# KiCad board Full Keyboard.kicad_pcb (continued)
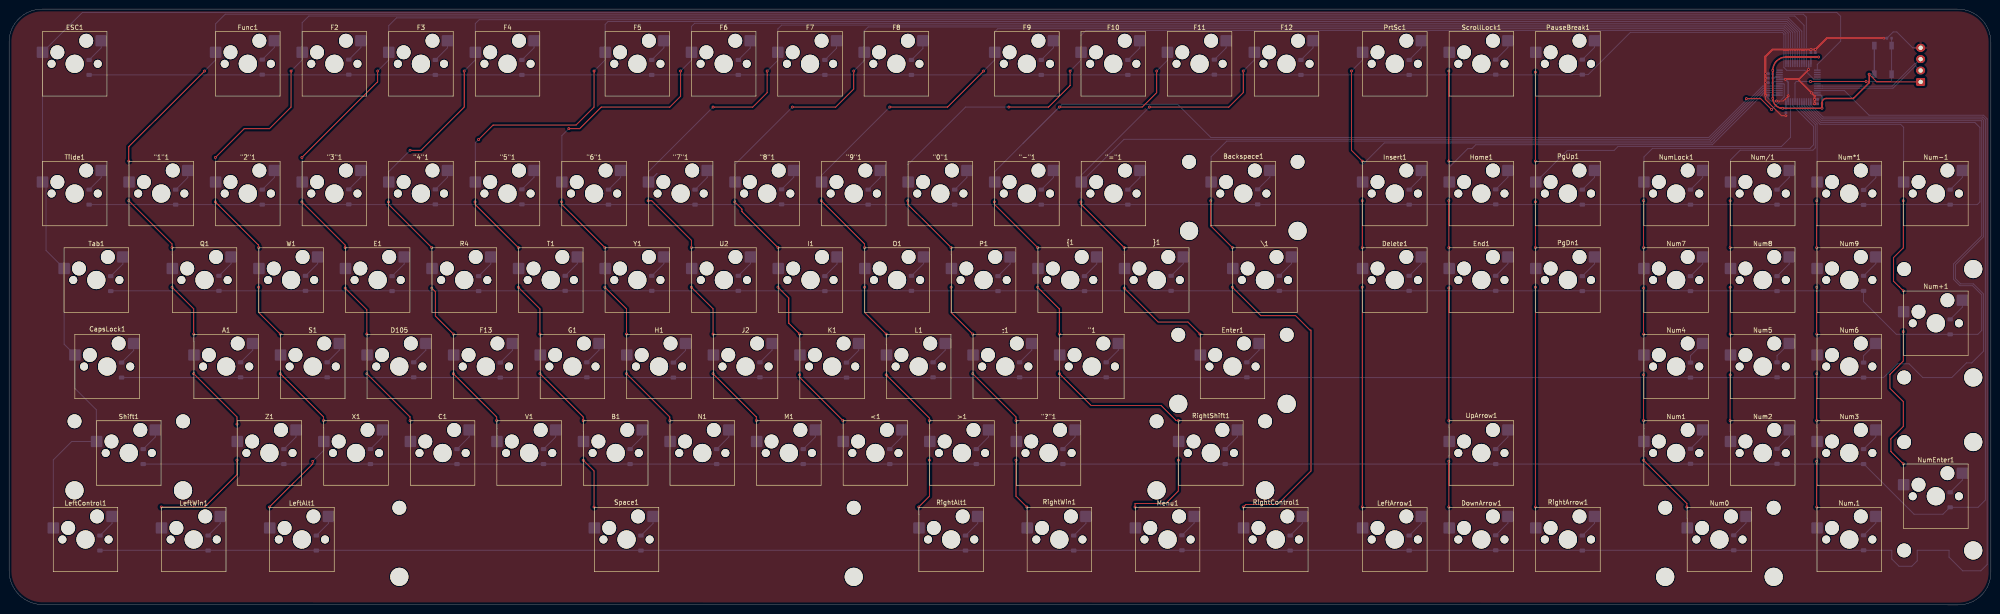
[diagram p0: board, top side]
## Nets (continued)
Net-(D27-A): "0"1.2 D27.2
Net-(D28-A): "-"1.2 D28.2
Net-(D29-A): "="1.2 D29.2
Net-(D30-A): Backspace1.2 D30.2
Net-(D31-A): D31.2 Insert1.2
Net-(D32-A): D32.2 Home1.2
Net-(D33-A): D33.2 PgUp1.2
Net-(D34-A): D34.2 NumLock1.2
Net-(D35-A): D35.2 Num/1.2
Net-(D36-A): D36.2 Num*1.2
Net-(D37-A): D37.2 Num-1.2
Net-(D38-A): D38.2 Tab1.2
Net-(D39-A): D39.2 Q1.2
Net-(D40-A): D40.2 W1.2
Net-(D41-A): D41.2 E1.2
Net-(D42-A): D42.2 R4.2
Net-(D43-A): D43.2 T1.2
Net-(D44-A): D44.2 Y1.2
Net-(D45-A): D45.2 U2.2
Net-(D46-A): D46.2 I1.2
Net-(D47-A): D47.2 O1.2
Net-(D48-A): D48.2 P1.2
Net-(D49-A): D49.2 {1.2
Net-(D50-A): D50.2 }1.2
Net-(D51-A): \1.2 D51.2
Net-(D52-A): D52.2 Delete1.2
Net-(D53-A): D53.2 End1.2
Net-(D54-A): D54.2 PgDn1.2
Net-(D55-A): D55.2 Num7.2
Net-(D56-A): D56.2 Num8.2
Net-(D57-A): D57.2 Num9.2
Net-(D58-A): D58.2 Num+1.2
Net-(D59-A): CapsLock1.2 D59.2
Net-(D60-A): A1.2 D60.2
Net-(D61-A): D61.2 S1.2
Net-(D62-A): D62.2 D105.2
Net-(D63-A): D63.2 F13.2
Net-(D64-A): D64.2 G1.2
Net-(D65-A): D65.2 H1.2
Net-(D66-A): D66.2 J2.2
Net-(D67-A): D67.2 K1.2
Net-(D68-A): D68.2 L1.2
Net-(D69-A): ;1.2 D69.2
Net-(D70-A): "1.2 D70.2
Net-(D71-A): D71.2 Enter1.2
Net-(D72-A): D72.2 Num5.2
Net-(D73-A): D73.2 Num6.2
Net-(D74-A): D74.2 Num4.2
Net-(D75-A): D75.2 Shift1.2
Net-(D76-A): D76.2 Z1.2
Net-(D77-A): D77.2 X1.2
Net-(D78-A): C1.2 D78.2
Net-(D79-A): D79.2 V1.2
Net-(D80-A): B1.2 D80.2
Net-(D81-A): D81.2 N1.2
Net-(D82-A): D82.2 M1.2
Net-(D83-A): <1.2 D83.2
Net-(D84-A): >1.2 D84.2
Net-(D85-A): "?"1.2 D85.2
Net-(D86-A): D86.2 RightShift1.2
Net-(D87-A): D87.2 UpArrow1.2
Net-(D88-A): D88.2 Num1.2
Net-(D89-A): D89.2 Num2.2
Net-(D90-A): D90.2 Num3.2
Net-(D91-A): D91.2 NumEnter1.2
Net-(D92-A): D92.2 LeftControl1.2
Net-(D93-A): D93.2 LeftWin1.2
Net-(D94-A): D94.2 LeftAlt1.2
Net-(D95-A): D95.2 Space1.2
Net-(D96-A): D96.2 RightAlt1.2
Net-(D97-A): D97.2 RightWin1.2
Net-(D98-A): D98.2 Menu1.2
Net-(D99-A): D99.2 RightControl1.2
Net-(D100-A): D100.2 LeftArrow1.2
Net-(D101-A): D101.2 DownArrow1.2
Net-(D102-A): D102.2 RightArrow1.2
Net-(D103-A): D103.2 Num0.2
Net-(D104-A): D104.2 Num.1.2

## Via types
v1: diameter 0.6, hole 0.3, Top to Bottom, 181 vias

## Routing (per net, layer and track width the routed paths; a pad name or vN(x,y) marks a point on that pad's centre or on a via; arc(x,y) is an arc through that point)
+3.3V: length 79.5
  Top w0.2: v1(409.32,116.9) 411.01,115.21 J3.1
  Top w0.3: v1(409.32,116.9) 409.32,115.02 405.86,111.55 399.88,111.55 arc(399.23,111.28) 398.96,110.63 v1(398.96,109.39) v1(390.3,109.39) arc(388.76,110.03) v1(388.12,111.58) v1(388.12,117.73) arc(388.98,119.82) 391.07,120.68 v1(398.2,120.68)
  Bottom w0.3: U1.1 C10.2 v1(388.12,111.58) ; v1(409.32,116.9) SW1.1 SW1.1 ; v1(398.2,120.68) C12.2 C11.2 U1.24 ; U1.9 388.92,116.29 388.85,116.28 388.79,116.27 388.76,116.26 388.73,116.25 388.71,116.24 arc(388.48,116.09) 388.22,116.04 C14.2 C15.2 v1(388.12,117.73) ; U1.36 398.61,112.29 arc(398.86,112.19) 398.96,111.94 C16.2 C17.2 v1(398.96,109.39) ; U1.48 C13.2 v1(390.3,109.39)
GND: length 90.3
  Top w0.2: v1(391.51,112.14) 391.51,112.06 390.44,110.99 v1(388.89,110.99) ; v1(391.01,107.75) 390.07,107.75 386.48,111.34 v1(386.48,112.29)
  Top w0.3: v1(396.01,117.94) 393.86,115.79 v1(390.86,115.79) 393.66,115.79 v1(396.66,112.79)
  Top w0.4: v1(396.66,112.79) 397.32,112.12 v1(397.32,111.36) v1(397.32,110.38) ; v1(412.58,124.83) 400,124.83 v1(397.49,122.32) v1(396.51,122.32) 388.02,122.32 386.48,120.78 v1(386.48,117.02) v1(386.48,115.04) v1(386.48,112.29)
  Bottom w0.2: C10.1 v1(386.48,112.29) 387.79,110.98 388.89,110.98 388.89,110.98 v1(388.89,110.99) ; J3.4 418.91,122.71 415.41,126.21 414.63,126.21 R1.1
  Bottom w0.3: U1.47 v1(391.51,112.14) 391.51,115.14 v1(390.86,115.79) U1.8 ; U1.35 v1(396.66,112.79) ; U1.23 v1(396.01,117.94)
  Bottom w0.4: C7.2 v1(386.48,115.04) ; R1.1 v1(412.58,124.83) ; C13.1 v1(391.01,107.75) ; C11.1 v1(396.51,122.32) ; v1(397.32,111.36) C16.1 ; C14.1 v1(386.48,116.04) ; C15.1 v1(386.48,117.02) ; v1(397.32,110.38) C17.1 ; C12.1 v1(397.49,122.32)
/BOOT0: length 34.9
  Top w0.2: v1(408.67,115.29) v1(396.42,115.29)
  Bottom w0.2: U1.44 393.01,114.87 arc(393.13,115.17) 393.42,115.29 v1(396.42,115.29) ; v1(408.67,115.29) 413.91,115.3 arc(414.17,115.4) 414.27,115.66 SW1.2 SW1.2 414.27,124.83
/NRST: length 1.5
  Bottom w0.2: U1.7 388.72,115.29 arc(388.39,115.22) C7.1
Col0: length 530.6
  Bottom w0.2: U1.25 397.92,119.06 403.03,124.16 403.06,124.16 403.06,129.66 402.21,130.51 16.13,130.51 ESC1.1 Tilde1.1 8.13,92.37 8.13,78.08 Tab1.1 12.11,57.43 CapsLock1.1 14.49,47.69 19.2,42.99 19.2,38.22 19.26,38.17 Shift1.1 13.79,36 9.73,31.94 LeftControl1.1
Col1: length 503
  Top w0.2: v1(35.86,69.98) 40.63,65.22 v1(40.63,59.66) ; v1(26.34,89.03) 35.86,79.5 v1(35.86,78.71) ; v1(50.15,39.82) 50.15,41.41 v1(40.63,50.93) ; v1(43.01,117.6) 26.34,100.93 v1(26.34,97.76) ; v1(50.15,31.88) 50.15,28.7 43.01,21.56 40.63,21.56 40.62,21.56 v1(33.48,21.56)
  Bottom w0.2: v1(40.63,59.66) 40.63,58.07 40.69,58.01 A1.1 40.69,50.99 v1(40.63,50.93) ; v1(35.86,78.71) 35.86,77.12 35.92,77.06 Q1.1 35.92,70.04 v1(35.86,69.98) ; v1(26.34,89.03) 26.4,89.09 "1"1.1 26.4,96.9 26.34,96.96 v1(26.34,97.76) ; LeftWin1.1 33.54,20.71 33.48,20.77 v1(33.48,21.56) ; U1.22 395.51,129.46 394.86,130.11 47.56,130.11 45.45,128 Func1.1 45.45,120.04 v1(43.01,117.6) ; v1(50.15,31.88) 50.21,31.94 Z1.1 50.21,39.76 v1(50.15,39.82)
Col2: length 477.9
  Top w0.2: v1(69.2,40.61) 69.2,41.41 v1(59.67,50.93) ; v1(54.91,78.71) 54.91,79.25 v1(45.39,88.77) ; v1(57.29,21.56) 66.82,31.09 v1(66.82,31.62) ; v1(45.39,98.55) 51.74,104.9 57.29,104.9 62.06,109.66 v1(62.06,117.6) ; v1(54.91,69.98) 54.91,64.42 v1(59.67,59.66)
  Bottom w0.2: v1(45.39,98.55) 45.45,98.49 "2"1.1 45.45,89.5 45.39,89.44 v1(45.39,88.77) ; v1(54.91,78.71) 54.97,78.65 W1.1 54.97,71.83 54.91,71.77 v1(54.91,69.98) ; v1(59.67,59.66) 59.74,59.6 S1.1 59.74,50.99 v1(59.67,50.93) ; v1(62.06,117.6) 64.5,120.04 F2.1 64.5,128.25 65.96,129.71 392.96,129.71 395.01,127.66 U1.21 ; v1(69.2,40.61) 69.2,39.02 69.26,38.96 X1.1 69.26,34.07 v1(66.82,31.62) ; LeftAlt1.1 57.36,21.5 v1(57.29,21.56)
Col3: length 429.6
  Top w0.2: v1(64.44,88.77) 73.96,79.25 v1(73.96,78.71) ; v1(88.25,40.61) 88.25,41.41 v1(78.72,50.93) ; v1(73.96,69.78) 78.72,65.02 v1(78.72,59.66) ; v1(81.1,117.6) 81.1,115.22 v1(64.44,98.55)
  Bottom w0.2: C1.1 88.31,40.55 v1(88.25,40.61) ; v1(78.72,59.66) 78.79,59.6 D105.1 78.79,50.99 v1(78.72,50.93) ; v1(73.96,69.78) 74.02,69.85 E1.1 74.02,78.65 v1(73.96,78.71) ; v1(64.44,98.55) 64.5,98.49 "3"1.1 64.5,88.83 v1(64.44,88.77) ; U1.20 394.51,126.36 391.56,129.31 85.26,129.31 83.55,127.6 F3.1 83.55,120.05 v1(81.1,117.6)
Col4: length 411.3
  Top w0.2: v1(88.25,100.14) 90.63,100.14 100.15,109.66 v1(100.15,117.6) ; v1(97.77,59.66) 93.8,63.63 93.8,68.99 v1(93.01,69.78) ; v1(83.49,88.77) 83.49,88.23 v1(93.01,78.71) ; v1(97.77,50.93) 107.3,41.41 v1(107.3,40.61)
  Bottom w0.2: V1.1 107.36,38.96 107.3,39.02 v1(107.3,40.61) ; v1(93.01,78.71) 93.01,77.92 93.07,77.85 R4.1 93.07,69.85 v1(93.01,69.78) ; v1(97.77,50.93) 97.84,50.99 F13.1 97.84,59.6 v1(97.77,59.66) ; v1(83.49,88.77) 83.55,88.83 "4"1.1 83.55,95.44 v1(88.25,100.14) ; v1(100.15,117.6) 102.6,120.05 F4.1 102.6,128.05 103.46,128.91 391.39,128.91 394.01,126.3 U1.19
Col5: length 415.1
  Top w0.2: v1(116.82,59.66) 116.82,65.22 v1(112.06,69.98) ; v1(103.33,102.52) 106.5,105.69 124.76,105.69 128.73,109.66 v1(128.73,117.6) ; v1(126.35,40.61) 126.35,41.41 v1(116.82,50.93) ; v1(126.35,31.88) 128.73,29.5 v1(128.73,21.56) ; v1(102.53,88.77) 102.53,88.23 v1(112.06,78.71)
  Bottom w0.2: v1(112.06,69.98) 112.12,70.04 T1.1 112.12,78.64 v1(112.06,78.71) ; Space1.1 128.79,21.5 v1(128.73,21.56) ; v1(128.73,117.6) 131.17,120.05 F5.1 131.17,127.88 131.81,128.51 391.23,128.51 393.51,126.23 U1.18 ; v1(126.35,31.88) 126.41,31.95 B1.1 126.41,38.16 126.35,38.23 v1(126.35,40.61) ; v1(102.53,88.77) 102.6,88.84 "5"1.1 102.6,101.79 v1(103.33,102.52) ; v1(116.82,59.66) 116.89,59.59 G1.1 116.89,51 v1(116.82,50.93)
Col6: length 374.4
  Top w0.2: v1(135.87,59.66) 135.87,65.22 v1(131.11,69.98) ; v1(121.58,88.77) 121.58,88.23 v1(131.11,78.71) ; v1(123.17,104.9) 125.55,104.9 130.31,109.66 145.39,109.66 147.78,112.04 v1(147.78,117.6) ; v1(135.87,50.93) 145.39,41.41 v1(145.39,40.61)
  Bottom w0.2: U1.17 393.01,126.16 391.06,128.11 150.86,128.11 150.17,127.43 F6.1 150.17,120 v1(147.78,117.6) ; N1.1 145.39,36.07 v1(145.39,40.61) ; v1(131.11,69.98) 131.17,70.04 Y1.1 131.17,77.85 131.11,77.92 v1(131.11,78.71) ; v1(123.17,104.9) 121.65,103.38 "6"1.1 121.65,88.84 v1(121.58,88.77) ; v1(135.87,59.66) 135.87,58.87 135.94,58.8 H1.1 135.94,51 v1(135.87,50.93)
Col7: length 354.8
  Top w0.2: v1(154.92,59.66) 154.92,65.22 v1(150.16,69.98) ; v1(154.92,50.93) 164.44,41.41 v1(164.44,40.61) ; v1(154.92,109.66) 163.65,109.66 166.82,112.84 v1(166.82,117.6) ; v1(140.63,89.03) 141.43,89.03 150.16,80.3 v1(150.16,78.71)
  Bottom w0.2: v1(166.82,117.6) 169.17,119.95 F7.1 169.17,126.88 170.01,127.71 390.9,127.71 392.51,126.1 U1.16 ; v1(140.63,89.03) 140.63,93.08 142.57,95.03 "7"1.1 140.7,95.44 v1(154.92,109.66) ; v1(154.92,50.93) 154.99,51 J2.1 154.99,59.59 v1(154.92,59.66) ; v1(150.16,78.71) 150.22,78.64 U2.1 150.22,70.05 v1(150.16,69.98) ; v1(164.44,40.61) 164.44,39.82 164.51,39.75 M1.1
Col8: length 329.4
  Top w0.2: v1(169.21,78.71) 161.27,86.65 161.27,87.18 v1(159.68,88.77) ; v1(185.87,117.6) 185.87,113.63 181.9,109.66 v1(172.38,109.66) ; v1(173.97,50.67) 173.97,50.14 v1(183.49,40.61) ; v1(173.97,59.66) 171.59,62.04 171.59,67.6 v1(169.21,69.98)
  Bottom w0.2: v1(183.49,40.61) 183.49,39.02 183.56,38.95 <1.1 ; v1(173.97,50.67) 174.04,50.74 K1.1 174.04,58 173.97,58.07 v1(173.97,59.66) ; v1(159.68,88.77) 159.75,88.84 "8"1.1 159.75,97.03 v1(172.38,109.66) ; U1.15 392.01,126.03 390.73,127.31 189.06,127.31 188.17,126.43 F8.1 188.17,119.9 v1(185.87,117.6) ; v1(169.21,69.98) 169.27,70.05 I1.1 169.27,78.64 v1(169.21,78.71)
Col9: length 325.6
  Top w0.2: v1(193.02,59.66) 188.25,64.42 v1(188.25,69.98) ; v1(214.45,117.6) 206.51,109.66 v1(193.81,109.66) ; v1(188.25,78.71) 188.25,79.5 v1(178.73,89.03) ; v1(193.02,50.67) 202.54,41.15 v1(202.54,40.61) ; v1(200.16,21.56) 202.54,23.94 v1(202.54,31.88)
  Bottom w0.2: U1.14 391.51,125.97 390.57,126.91 217.56,126.91 216.9,126.25 F9.1 216.9,120.05 v1(214.45,117.6) ; v1(200.16,21.56) 200.16,19.98 200.23,19.9 RightAlt1.1 ; v1(202.54,40.61) 202.54,39.02 202.61,38.95 >1.1 202.61,31.95 v1(202.54,31.88) ; v1(188.25,78.71) 188.25,77.92 188.32,77.84 O1.1 188.32,70.05 v1(188.25,69.98) ; v1(178.73,89.03) 178.8,89.1 "9"1.1 178.8,94.65 v1(193.81,109.66) ; v1(193.02,50.67) 193.09,50.74 L1.1 193.09,57.21 193.02,57.28 v1(193.02,59.66)
Col10: length 308.5
  Top w0.2: v1(197.78,89.03) 197.78,88.23 v1(207.3,78.71) ; v1(207.3,69.98) 207.3,64.42 v1(212.07,59.66) ; v1(220,109.66) 228.73,109.66 233.49,114.43 v1(233.49,117.6) ; v1(221.59,31.88) 221.59,23.94 v1(223.97,21.56) ; v1(221.59,40.61) 221.59,41.41 v1(212.07,50.93)
  Bottom w0.2: v1(221.59,40.61) 221.59,38.23 221.66,38.16 "?"1.1 221.66,31.95 v1(221.59,31.88) ; v1(220,109.66) 210.48,109.66 197.85,97.03 "0"1.1 197.85,89.1 v1(197.78,89.03) ; U1.13 391.01,125.9 390.4,126.51 236.96,126.51 235.9,125.45 F10.1 235.9,120 v1(233.49,117.6) ; v1(223.97,21.56) 223.97,20.77 224.04,20.7 RightWin1.1 ; v1(207.3,69.98) 207.37,70.05 P1.1 207.37,77.05 207.3,77.12 v1(207.3,78.71) ; v1(212.07,50.93) 212.14,51 ;1.1 212.14,59.59 v1(212.07,59.66)
Col11: length 349.3
  Top w0.2: v1(252.54,117.6) 252.54,112.84 249.37,109.66 v1(231.11,109.66) ; v1(216.83,88.77) 216.83,88.23 v1(226.35,78.71) ; v1(382.31,111.51) 385.46,111.51 v1(387.86,109.11) ; v1(231.11,50.93) 238.13,43.91 253.51,43.91 256.81,40.61 v1(257.31,40.61) ; v1(226.35,69.98) 231.11,65.22 v1(231.11,59.66) ; v1(257.31,31.88) 257.31,25.11 254.55,22.36 247.78,22.36 v1(247.78,21.56)
  Bottom w0.2: F11.1 254.9,119.96 v1(252.54,117.6) ; v1(382.31,111.51) 382.31,111.41 382.4,111.32 374.04,102.96 264.46,102.96 257.16,110.26 231.71,110.26 223.11,101.66 ; 223.11,101.66 v1(231.11,109.66) ; 223.11,101.66 216.9,95.45 "-"1.1 216.9,88.84 v1(216.83,88.77) ; v1(257.31,31.88) 257.38,31.96 RightShift1.1 257.38,40.54 v1(257.31,40.61) ; v1(231.11,50.93) 231.19,51 "1.1 231.19,59.59 v1(231.11,59.66) ; v1(387.86,109.11) 390.63,111.89 390.63,114.69 390.53,114.79 U1.6 ; Menu1.1 247.86,21.49 v1(247.78,21.56) ; v1(226.35,78.71) 226.42,78.64 {1.1 226.42,70.05 v1(226.35,69.98)
Col12: length 269.9
  Top w0.2: v1(271.59,117.6) 271.59,112.84 268.42,109.66 v1(250.96,109.66) ; v1(235.88,88.77) 235.88,88.23 v1(245.4,78.71) ; v1(245.4,69.78) 252.87,62.31 259.42,62.31 v1(262.07,59.66)
  Bottom w0.2: v1(250.96,109.66) 235.95,94.66 "="1.1 ; "="1.1 245.36,102.56 374.21,102.56 385.93,114.29 U1.5 ; "="1.1 235.95,90.88 235.88,90.81 v1(235.88,88.77) ; v1(271.59,117.6) 274.03,120.04 F12.1 ; Enter1.1 262.14,59.59 v1(262.07,59.66) ; v1(245.4,69.78) 245.47,69.86 }1.1 245.47,77.05 245.4,77.12 v1(245.4,78.71)
Col13: length 237.2
  Top w0.2: v1(269.21,78.71) 264.45,83.47 v1(264.45,89.03) ; v1(271.59,21.56) 272.14,22.11 279.11,22.11 286.51,29.51 286.51,60.51 286.31,60.51 283.11,63.71 275.48,63.71 v1(269.21,69.98)
  Bottom w0.2: U1.4 386,113.79 374.37,102.16 267.96,102.16 264.52,98.73 Backspace1.1 264.52,89.1 v1(264.45,89.03) ; v1(269.21,69.98) 269.29,70.05 \1.1 269.29,77.84 269.21,77.92 v1(269.21,78.71) ; RightControl1.1 271.67,20.69 271.59,20.77 v1(271.59,21.56)
Col14: length 205.6
  Top w0.2: v1(297.78,89.03) v1(297.78,78.71) ; v1(297.78,69.98) v1(297.78,21.56) ; v1(297.78,97.76) 295.4,100.14 v1(295.4,117.6)
  Bottom w0.2: 297.78,96.91 297.78,96.17 297.86,96.09 Insert1.1 297.86,89.1 v1(297.78,89.03) ; 297.78,96.91 v1(297.78,97.76) ; 297.78,96.91 302.63,101.76 374.64,101.76 375.25,102.37 375.25,102.48 386.07,113.3 389.59,113.3 U1.3 ; LeftArrow1.1 297.86,21.49 v1(297.78,21.56) ; v1(297.78,78.71) 297.78,77.92 297.86,77.84 Delete1.1 297.86,70.06 v1(297.78,69.98) ; PrtSc1.1 297.86,120.06 v1(295.4,117.6)
Col15: length 184.7
  Top w0.2: v1(316.83,89.03) v1(316.83,78.71) ; v1(316.83,117.6) v1(316.83,97.76) ; v1(316.83,31.62) v1(316.83,21.56) ; v1(316.83,69.78) v1(316.83,40.61)
  Bottom w0.2: v1(316.83,117.6) 316.91,117.68 ScrollLock1.1 ; v1(316.83,78.71) 316.83,74.18 End1.1 316.91,69.86 v1(316.83,69.78) ; DownArrow1.1 316.91,20.69 316.83,20.77 v1(316.83,21.56) ; 316.91,96.41 321.01,100.51 321.91,100.51 322.76,101.36 374.81,101.36 385.81,112.36 385.81,112.47 386.24,112.9 388.72,112.9 388.83,112.79 U1.2 ; 316.91,96.41 Home1.1 316.91,89.11 v1(316.83,89.03) ; 316.91,96.41 316.91,96.89 316.83,96.96 v1(316.83,97.76) ; v1(316.83,40.61) 316.83,39.02 316.91,38.95 UpArrow1.1 316.91,32.93 316.83,32.85 v1(316.83,31.62)
Col16: length 173
  Top w0.2: v1(335.88,117.34) v1(335.88,97.76) ; v1(335.88,88.77) v1(335.88,78.71) ; v1(335.88,69.98) v1(335.88,21.56)
  Bottom w0.2: PauseBreak1.1 335.96,117.42 v1(335.88,117.34) ; v1(335.88,97.76) 335.88,96.96 335.96,96.88 PgUp1.1 ; v1(335.88,69.98) 335.96,70.06 PgDn1.1 335.96,78.63 v1(335.88,78.71) ; v1(335.88,88.77) 335.96,88.85 PgUp1.1 ; PgUp1.1 342.92,100.11 353.21,100.11 354.06,100.96 390.01,100.96 392.01,102.96 U1.46 ; v1(335.88,21.56) 335.88,20.77 335.96,20.69 RightArrow1.1
Col17: length 135.8
  Top w0.2: v1(359.69,31.88) 369.22,22.36 v1(369.22,21.56) ; v1(359.69,69.78) v1(359.69,59.66) ; v1(359.69,50.67) v1(359.69,40.61) ; v1(359.69,89.03) v1(359.69,78.71)
  Bottom w0.2: v1(359.69,89.03) 359.77,89.11 NumLock1.1 359.77,98.68 361.66,100.56 396.31,100.56 397.07,101.33 397.07,105.41 392.51,109.98 U1.45 ; v1(359.69,50.67) 359.77,50.75 Num4.1 359.77,59.58 v1(359.69,59.66) ; Num0.1 369.3,19.1 369.22,19.18 v1(369.22,21.56) ; v1(359.69,31.88) 359.69,33.65 359.77,33.73 Num1.1 359.77,38.94 359.69,39.02 v1(359.69,40.61) ; v1(359.69,69.78) 359.77,69.87 Num7.1 359.77,77.83 359.69,77.92 v1(359.69,78.71)
Col18: length 93.8
  Top w0.2: v1(378.74,69.98) v1(378.74,59.66) ; v1(378.74,50.67) v1(378.74,40.61) ; v1(378.74,89.03) v1(378.74,78.71)
  Bottom w0.2: U1.43 393.51,109.74 397.47,105.78 397.47,100.68 396.96,100.16 380.96,100.16 378.82,98.03 Num/1.1 378.82,89.11 v1(378.74,89.03) ; v1(378.74,50.67) 378.82,50.76 Num5.1 378.82,59.58 v1(378.74,59.66) ; v1(378.74,78.71) 378.74,77.92 378.82,77.83 Num8.1 378.82,70.06 v1(378.74,69.98) ; Num2.1 378.82,38.15 378.74,38.23 v1(378.74,40.61)
Col19: length 95.8
  Top w0.2: v1(397.79,50.93) v1(397.79,40.61) ; v1(397.79,69.98) v1(397.79,59.66) ; v1(397.79,89.03) v1(397.79,78.71) ; v1(397.79,31.62) v1(397.79,21.56)
  Bottom w0.2: v1(397.79,21.56) 397.79,20.77 397.87,20.69 Num.1.1 ; v1(397.79,50.93) 397.87,51.01 Num6.1 397.87,59.58 v1(397.79,59.66) ; v1(397.79,89.03) 397.87,89.11 Num*1.1 397.87,105.94 394.01,109.81 U1.42 ; v1(397.79,69.98) 397.87,70.06 Num9.1 397.87,77.83 397.79,77.92 v1(397.79,78.71) ; v1(397.79,40.61) 397.79,39.02 397.87,38.94 Num3.1 397.87,31.71 v1(397.79,31.62)
Col20: length 110.7
  Top w0.2: v1(416.84,69.18) 415.91,70.11 415.91,70.11 414.71,71.31 414.71,76.51 416.84,78.64 v1(416.84,89.03) ; v1(416.84,60.2) 416.84,53.71 413.91,50.78 413.91,47.71 416.84,44.78 416.84,39.31 414.11,36.58 414.11,33.82 v1(416.84,31.09)
  Bottom w0.2: v1(416.84,89.03) 416.92,89.11 Num-1.1 416.92,105.2 416.26,105.86 398.52,105.86 394.51,109.87 U1.41 ; v1(416.84,69.18) 416.92,69.1 Num+1.1 416.92,60.28 v1(416.84,60.2) ; NumEnter1.1 416.92,30.21 416.84,30.29 v1(416.84,31.09)
MCU_D+: length 25.2
  Bottom w0.2: U1.33 399.03,113.79 399.05,113.81 414.58,113.81 419.5,118.74 419.51,118.74 420.53,117.71 J3.2
MCU_D-: length 25.2
  Bottom w0.2: J3.3 420.53,120.21 419.51,119.19 419.32,119.19 414.39,114.26 399.05,114.26 399.03,114.29 U1.32
Row0: length 392.9
  Bottom w0.2: U1.29 397.87,115.74 397.18,115.74 397.15,115.77 397.15,115.79 395.18,117.76 391.18,117.76 390.56,118.38 390.56,125.69 390.61,125.74 390.23,126.11 356.78,126.11 347.48,116.81 D15.1 343.99,116.81 343.93,116.74 D1.1
Row1: length 474.4
  Bottom w0.2: U1.40 395.01,109.94 398.69,106.26 432.61,106.26 433.71,105.16 433.71,88.76 433.12,88.17 D37.1 D17.1
Row2: length 511.3
  Bottom w0.2: D38.1 22.43,69.18 D57.1 408.11,66.8 415.31,59.6 D58.1 433.24,59.6 434.11,60.46 434.11,68.31 432.11,70.31 429.31,70.31 427.91,71.71 427.91,75.11 434.11,81.31 434.11,106.56 434.01,106.66 398.85,106.66 395.51,110.01 U1.39
Row3: length 513
  Bottom w0.2: D59.1 D73.1 412.51,50.07 415.55,53.11 418.11,53.11 421.11,50.11 421.11,50.07 427.51,50.07 430.75,53.31 431.91,53.31 434.51,55.91 434.51,68.48 432.28,70.71 429.48,70.71 428.31,71.88 428.31,74.91 434.51,81.11 434.51,106.73 434.18,107.06 399.02,107.06 396.01,110.07 U1.38
Row4: length 535.5
  Bottom w0.2: D75.1 D90.1 408.17,31.02 419.22,19.98 425.57,19.98 427.1,21.5 D91.1 433.3,21.5 434.91,23.11 434.91,106.9 434.34,107.46 399.18,107.46 396.51,110.14 U1.37
Row5: length 562.2
  Bottom w0.2: D92.1 20.05,12.04 D104.1 414.31,12.04 414.31,10.11 415.91,8.51 418.71,8.51 419.91,9.71 419.91,12.04 426.91,12.04 426.91,10.51 429.91,7.51 433.91,7.51 435.31,8.91 435.31,107.06 434.51,107.86 409.31,107.86 403.86,113.31 403.83,113.29 U1.34
Net-(D1-A): length 5.3
  Bottom w0.2: ESC1.2 20.28,122.71 D1.2
Net-(D2-A): length 5.3
  Bottom w0.2: D2.2 58.38,122.78 Func1.2
Net-(D3-A): length 5.3
  Bottom w0.2: F2.2 77.43,122.78 D3.2
Net-(D4-A): length 5.3
  Bottom w0.2: D4.2 96.48,122.72 F3.2
Net-(D5-A): length 5.3
  Bottom w0.2: D5.2 115.53,122.72 F4.2
Net-(D6-A): length 5.3
  Bottom w0.2: F5.2 144.1,122.72 D6.2
Net-(D7-A): length 5.3
  Bottom w0.2: D7.2 163.1,122.67 F6.2
Net-(D8-A): length 5.3
  Bottom w0.2: D8.2 182.1,122.62 F7.2
Net-(D9-A): length 5.3
  Bottom w0.2: D9.2 201.1,122.57 F8.2
Net-(D10-A): length 5.3
  Bottom w0.2: D10.2 229.83,122.72 F9.2
Net-(D11-A): length 5.3
  Bottom w0.2: D11.2 248.83,122.68 F10.2
Net-(D12-A): length 5.2
  Bottom w0.2: F11.2 267.83,122.69 D12.2
Net-(D13-A): length 5.3
  Bottom w0.2: PrtSc1.2 310.79,122.73 D13.2
Net-(D14-A): length 5.3
  Bottom w0.2: D14.2 329.84,122.79 ScrollLock1.2
Net-(D15-A): length 5.3
  Bottom w0.2: D15.2 348.89,122.8 PauseBreak1.2
Net-(D16-A): length 5.3
  Bottom w0.2: F12.2 286.96,122.71 D16.2
Net-(D17-A): length 5.3
  Bottom w0.2: Tilde1.2 20.28,94.14 D17.2
Net-(D18-A): length 5.3
  Bottom w0.2: D18.2 39.33,94.14 "1"1.2
Net-(D19-A): length 5.3
  Bottom w0.2: "2"1.2 58.38,94.14 D19.2
Net-(D20-A): length 5.3
  Bottom w0.2: "3"1.2 77.43,94.2 D20.2
Net-(D21-A): length 5.3
  Bottom w0.2: D21.2 96.48,94.21 "4"1.2
Net-(D22-A): length 5.3
  Bottom w0.2: "5"1.2 115.53,94.21 D22.2
Net-(D23-A): length 5.3
  Bottom w0.2: "6"1.2 134.58,94.15 D23.2
Net-(D24-A): length 5.3
  Bottom w0.2: D24.2 153.63,94.15 "7"1.2
Net-(D25-A): length 5.3
  Bottom w0.2: D25.2 172.68,94.21 "8"1.2
Net-(D26-A): length 5.3
  Bottom w0.2: "9"1.2 191.73,94.15 D26.2
Net-(D27-A): length 5.3
  Bottom w0.2: "0"1.2 210.78,94.15 D27.2
Net-(D28-A): length 5.3
  Bottom w0.2: "-"1.2 229.83,94.15 D28.2
Net-(D29-A): length 5.3
  Bottom w0.2: D29.2 248.88,94.15 "="1.2
Net-(D30-A): length 5.3
  Bottom w0.2: Backspace1.2 277.45,94.22 D30.2
Net-(D31-A): length 5.3
  Bottom w0.2: D31.2 310.79,94.16 Insert1.2
Net-(D32-A): length 5.3
  Bottom w0.2: D32.2 329.84,94.22 Home1.2
Net-(D33-A): length 5.3
  Bottom w0.2: D33.2 348.89,94.16 PgUp1.2
Net-(D34-A): length 5.3
  Bottom w0.2: NumLock1.2 372.7,94.16 D34.2
Net-(D35-A): length 5.3
  Bottom w0.2: D35.2 391.75,94.16 Num/1.2
Net-(D36-A): length 5.4
  Bottom w0.2: D36.2 410.8,94.1 Num*1.2
Net-(D37-A): length 5.3
  Bottom w0.2: Num-1.2 429.85,94.16 D37.2
Net-(D38-A): length 5.3
  Bottom w0.2: Tab1.2 25.04,75.09 D38.2
Net-(D39-A): length 5.3
  Bottom w0.2: D39.2 48.85,75.15 Q1.2
Net-(D40-A): length 5.3
  Bottom w0.2: D40.2 67.9,75.16 W1.2
Net-(D41-A): length 5.3
  Bottom w0.2: E1.2 86.95,75.09 D41.2
Net-(D42-A): length 5.3
  Bottom w0.2: R4.2 106,75.1 D42.2
Net-(D43-A): length 5.3
  Bottom w0.2: D43.2 125.05,75.16 T1.2
Net-(D44-A): length 5.3
  Bottom w0.2: Y1.2 144.1,75.16 D44.2
Net-(D45-A): length 5.3
  Bottom w0.2: U2.2 163.15,75.16 D45.2
Net-(D46-A): length 5.3
  Bottom w0.2: D46.2 182.2,75.1 I1.2
Net-(D47-A): length 5.3
  Bottom w0.2: O1.2 201.25,75.16 D47.2
Net-(D48-A): length 5.3
  Bottom w0.2: P1.2 220.3,75.1 D48.2
Net-(D49-A): length 5.3
  Bottom w0.2: D49.2 239.35,75.1 {1.2
Net-(D50-A): length 5.3
  Bottom w0.2: D50.2 258.4,75.17 }1.2
Net-(D51-A): length 5.3
  Bottom w0.2: \1.2 282.21,75.17 D51.2
Net-(D52-A): length 5.3
  Bottom w0.2: Delete1.2 310.79,75.17 D52.2
Net-(D53-A): length 5.3
  Bottom w0.2: D53.2 329.84,75.17 End1.2
Net-(D54-A): length 5.3
  Bottom w0.2: D54.2 348.89,75.11 PgDn1.2
Net-(D55-A): length 5.3
  Bottom w0.2: Num7.2 372.7,75.11 D55.2
Net-(D56-A): length 5.3
  Bottom w0.2: Num8.2 391.75,75.11 D56.2
Net-(D57-A): length 5.3
  Bottom w0.2: D57.2 410.8,75.18 Num9.2
Net-(D58-A): length 5.3
  Bottom w0.2: Num+1.2 429.85,65.59 D58.2
Net-(D59-A): length 5.3
  Bottom w0.2: CapsLock1.2 27.42,56.04 D59.2
Net-(D60-A): length 5.3
  Bottom w0.2: A1.2 53.61,56.11 D60.2
Net-(D61-A): length 5.3
  Bottom w0.2: D61.2 72.66,56.11 S1.2
Net-(D62-A): length 5.3
  Bottom w0.2: D62.2 91.71,56.11 D105.2
Net-(D63-A): length 5.3
  Bottom w0.2: D63.2 110.76,56.05 F13.2
Net-(D64-A): length 5.3
  Bottom w0.2: D64.2 129.81,56.11 G1.2
Net-(D65-A): length 5.3
  Bottom w0.2: D65.2 148.86,56.05 H1.2
Net-(D66-A): length 5.3
  Bottom w0.2: J2.2 167.91,56.11 D66.2
Net-(D67-A): length 5.3
  Bottom w0.2: K1.2 186.96,56.05 D67.2
Net-(D68-A): length 5.3
  Bottom w0.2: D68.2 206.01,56.12 L1.2
Net-(D69-A): length 5.3
  Bottom w0.2: ;1.2 225.06,56.12 D69.2
Net-(D70-A): length 5.3
  Bottom w0.2: D70.2 244.11,56.12 "1.2
Net-(D71-A): length 5.3
  Bottom w0.2: Enter1.2 275.07,56.12 D71.2
Net-(D72-A): length 5.3
  Bottom w0.2: D72.2 389.06,54.9 Num5.2
Net-(D73-A): length 5.3
  Bottom w0.2: Num6.2 408.11,54.9 D73.2
Net-(D74-A): length 5.3
  Bottom w0.2: Num4.2 370.01,54.9 D74.2
Net-(D75-A): length 5.3
  Bottom w0.2: D75.2 32.18,36.99 Shift1.2
Net-(D76-A): length 5.3
  Bottom w0.2: D76.2 63.14,36.99 Z1.2
Net-(D77-A): length 5.3
  Bottom w0.2: D77.2 82.19,37 X1.2
Net-(D78-A): length 5.3
  Bottom w0.2: D78.2 101.24,37 C1.2
Net-(D79-A): length 5.3
  Bottom w0.2: D79.2 120.29,37 V1.2
Net-(D80-A): length 5.3
  Bottom w0.2: B1.2 139.34,37 D80.2
Net-(D81-A): length 5.3
  Bottom w0.2: N1.2 158.39,37 D81.2
Net-(D82-A): length 5.3
  Bottom w0.2: M1.2 177.44,37 D82.2
Net-(D83-A): length 5.3
  Bottom w0.2: D83.2 196.49,37 <1.2
Net-(D84-A): length 5.3
  Bottom w0.2: >1.2 215.54,37 D84.2
Net-(D85-A): length 5.3
  Bottom w0.2: "?"1.2 234.59,37.01 D85.2
Net-(D86-A): length 5.3
  Bottom w0.2: D86.2 270.31,37.01 RightShift1.2
Net-(D87-A): length 5.3
  Bottom w0.2: UpArrow1.2 329.84,37.01 D87.2
Net-(D88-A): length 5.3
  Bottom w0.2: D88.2 372.7,37.08 Num1.2
Net-(D89-A): length 5.3
  Bottom w0.2: D89.2 391.75,37.08 Num2.2
Net-(D90-A): length 5.3
  Bottom w0.2: Num3.2 410.8,37.02 D90.2
Net-(D91-A): length 5.3
  Bottom w0.2: D91.2 429.85,27.49 NumEnter1.2
Net-(D92-A): length 5.3
  Bottom w0.2: LeftControl1.2 22.66,17.94 D92.2
Net-(D93-A): length 5.3
  Bottom w0.2: LeftWin1.2 46.47,17.94 D93.2
Net-(D94-A): length 5.3
  Bottom w0.2: LeftAlt1.2 70.28,17.95 D94.2
Net-(D95-A): length 5.3
  Bottom w0.2: Space1.2 141.72,17.95 D95.2
Net-(D96-A): length 5.3
  Bottom w0.2: D96.2 213.16,17.96 RightAlt1.2
Net-(D97-A): length 5.3
  Bottom w0.2: D97.2 236.97,17.96 RightWin1.2
Net-(D98-A): length 5.3
  Bottom w0.2: D98.2 260.78,18.02 Menu1.2
Net-(D99-A): length 5.3
  Bottom w0.2: D99.2 284.6,17.96 RightControl1.2
Net-(D100-A): length 5.3
  Bottom w0.2: LeftArrow1.2 310.79,17.96 D100.2
Net-(D101-A): length 5.3
  Bottom w0.2: DownArrow1.2 329.84,18.03 D101.2
Net-(D102-A): length 5.3
  Bottom w0.2: RightArrow1.2 348.89,17.96 D102.2
Net-(D103-A): length 5.3
  Bottom w0.2: Num0.2 382.23,18.03 D103.2
Net-(D104-A): length 5.3
  Bottom w0.2: Num.1.2 410.8,18.03 D104.2

## Copper pours and planes (outline as drawn; the poured copper is in the pictures)
(no net) on Top, Bottom: 447.41,155.21 445.66,-24.29 -48.84,-12.79 -38.59,169.96 -37.84,169.96 -36.84,169.46 -36.09,169.46 -28.84,166.71
